# Altium PCB Modulo-1B-TY.PcbDoc
Units mil, origin at the board's own origin, x right, y up, seen from the top; angles counter-clockwise.
Board outline 2400 x 700 mil, 4 copper layers (Component Side, Signal Layer 2, Signal Layer 1, Solder Side), stack 64.618 mil thick; 59 components, 46 nets, 233 pads, 124 vias.
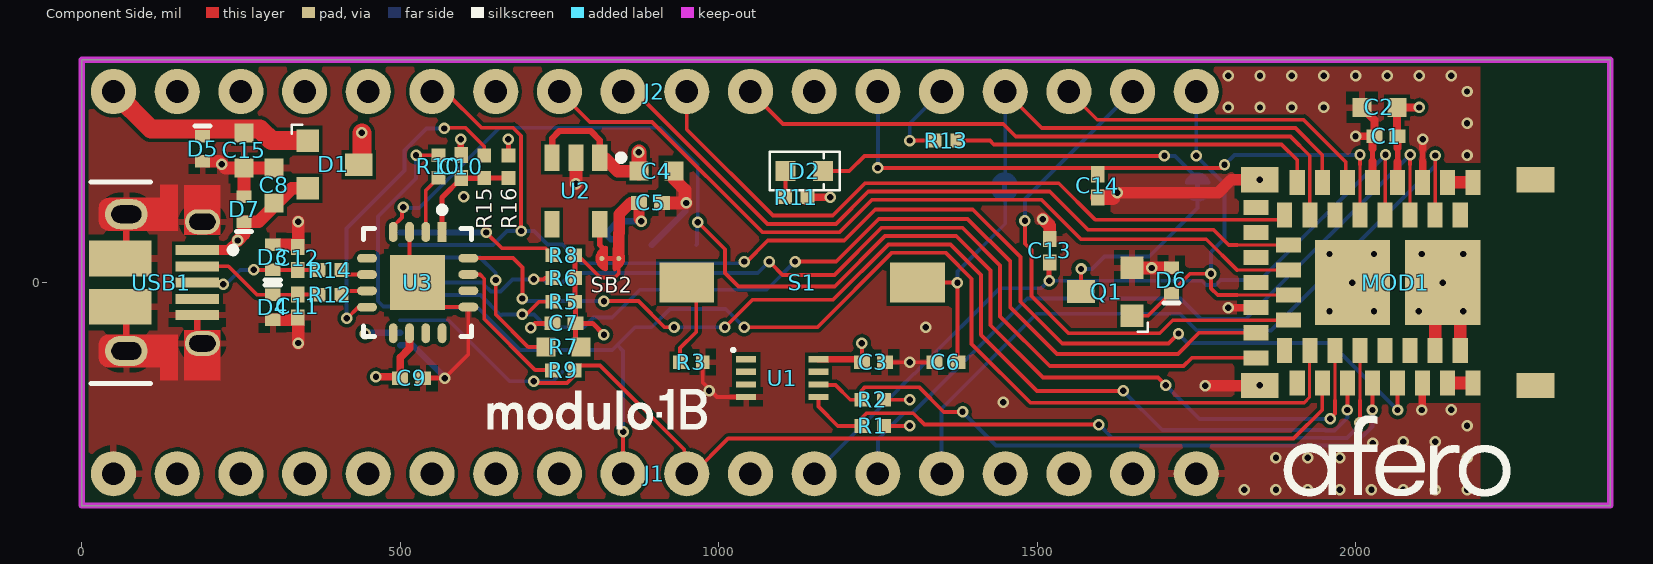
[diagram p0: Component Side view]
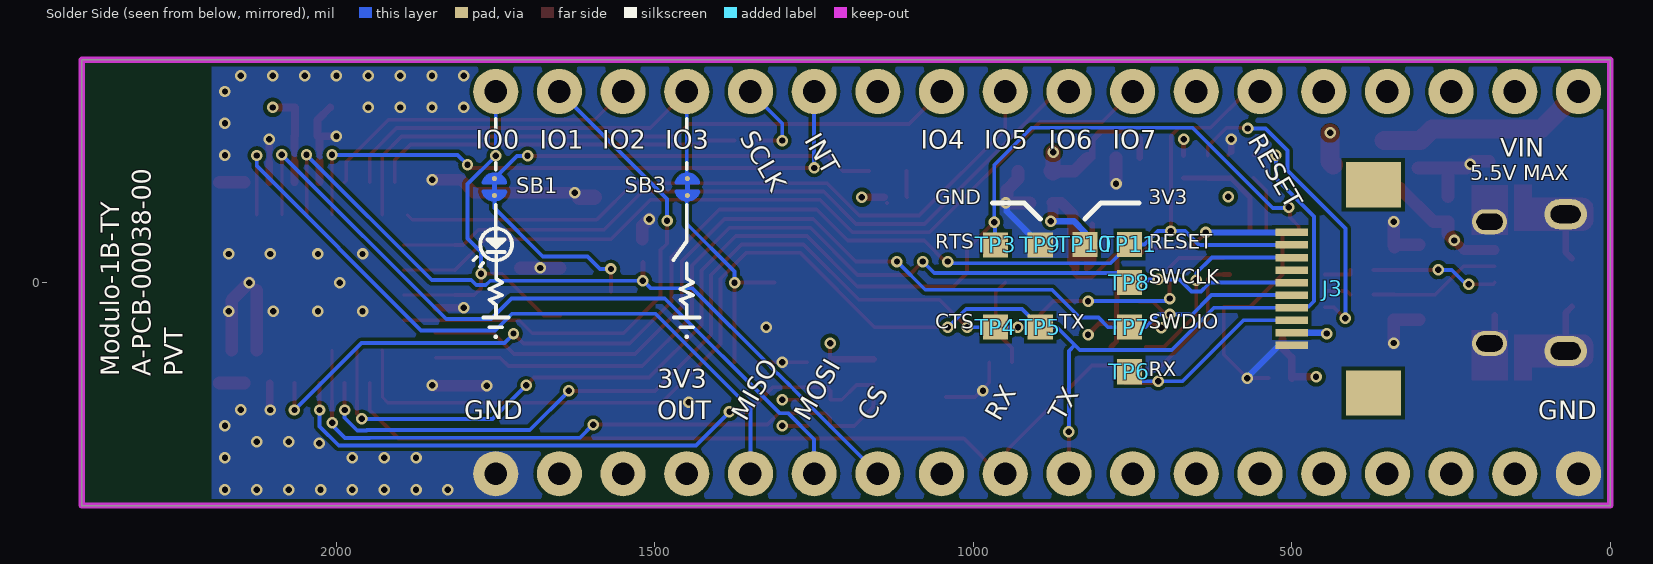
[diagram p1: Solder Side view, seen from below]
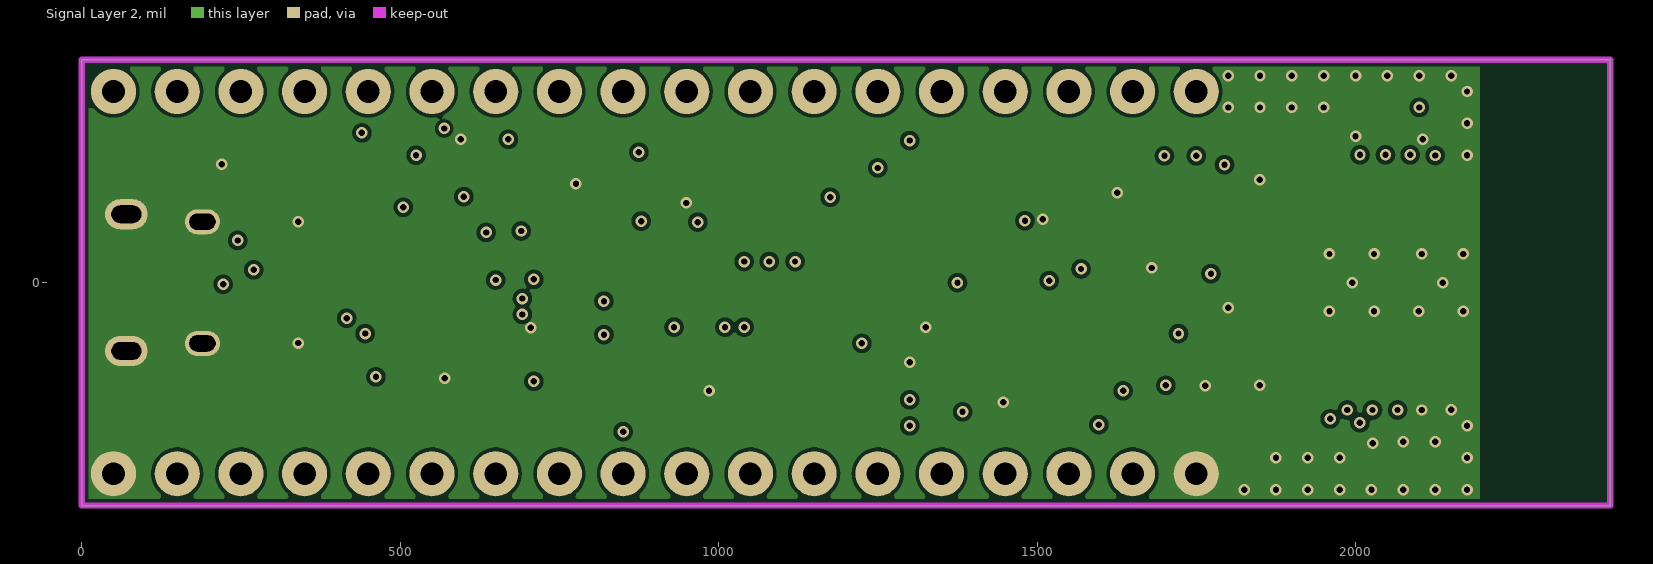
[diagram p2: Signal Layer 2]
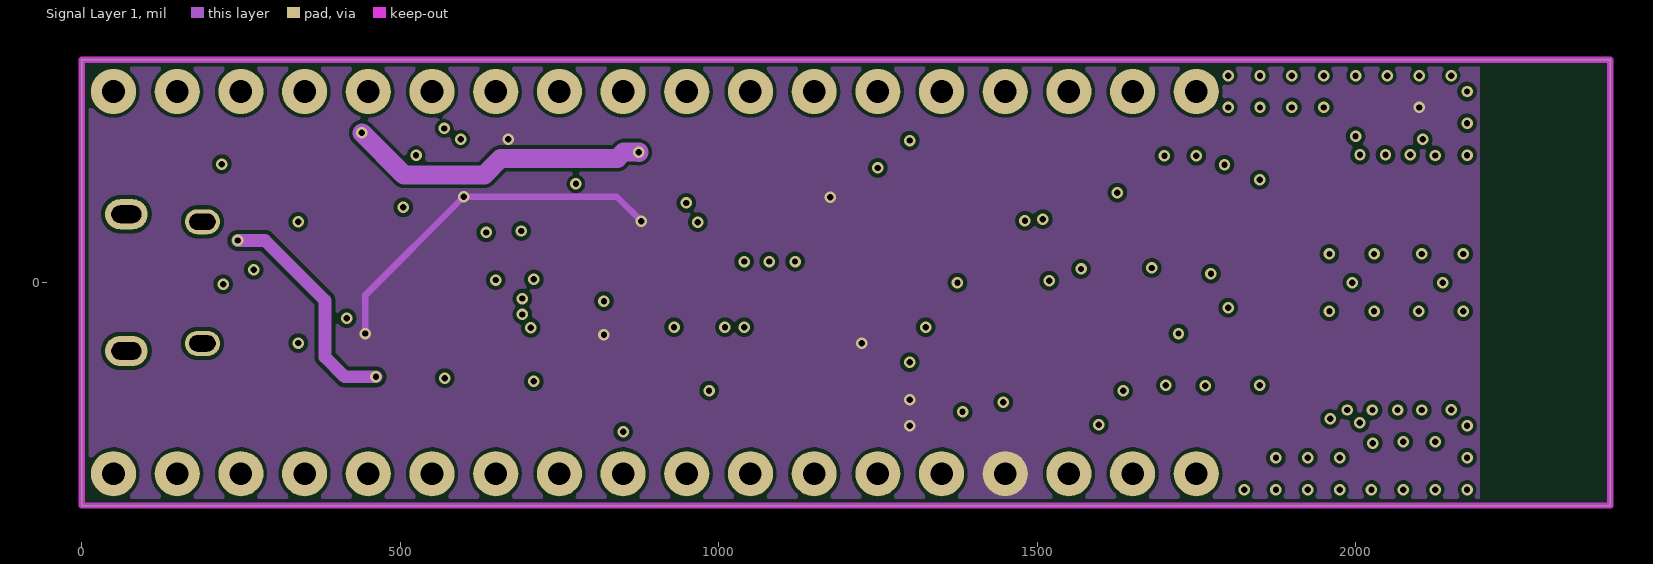
[diagram p3: Signal Layer 1]

## Layer stack, top to bottom
Top Solder: solder mask 0.4, Solder Resist, Dk 3.5
Component Side: signal copper 1.4
Dielectric 1: core 6.7, FR408, Dk 4.2
Signal Layer 2: signal copper 0.709
Dielectric 3: prepreg 47, FR408, Dk 4.2
Signal Layer 1: signal copper 0.709
Dielectric 4: core 6.7, FR408, Dk 4.2
Solder Side: signal copper 1.4
Bottom Solder: solder mask 0.4, Solder Resist, Dk 3.5

## Board outline
0,-350 2400,-350 2400,350 0,350

## Design rules (kind name [scope] priority, off if disabled: settings)
BoardOutlineClearance [All] p1: gap=10 ignorepadtopadclearanceinfootprint=FALSE except(0: Arc-SplitContinuation Track-SplitContinuation SMDPad-SplitContinuation THPad-SplitContinuation Via-SplitContinuation Fill-SplitContinuation Poly-SplitContinuation Region-SplitContinuation Text-SplitContinuation)
Clearance "Module Clearance" [TouchesRoom('5MilClearance') or WithinRoom('5MilClearance') vs TouchesRoom('5MilClearance') or WithinRoom('5MilClearance')] p1: gap=5 ignorepadtopadclearanceinfootprint=FALSE
Clearance [All] p2: gap=6 ignorepadtopadclearanceinfootprint=FALSE
DiffPairsRouting [All] p1 off: maxlimit=10 minlimit=10 mostfreqgap=10 toplayer_minwidth=15 toplayer_maxwidth=15 toplayer_prefwidth=15 midlayer1_minwidth=15 midlayer1_maxwidth=15 midlayer1_prefwidth=15 midlayer2_minwidth=15 midlayer2_maxwidth=15 midlayer2_prefwidth=15 bottomlayer_minwidth=15 bottomlayer_maxwidth=15 bottomlayer_prefwidth=15 maxuncoupledlength=500
HoleSize [All] p1: absolutevalues=TRUE maxlimit=50 minlimit=10 maxpercent=80.000 minpercent=20.000
MinimumAnnularRing [All] p1: minimumring=4
MinimumSolderMaskSliver [All] p1 off: minsoldermaskwidth=10
PlaneClearance [All] p1: clearance=10
PlaneConnect [All] p1: planeconnectstyle=Relief reliefexpansion=10 reliefentries=4 reliefconductorwidth=5 reliefairgap=5
PolygonConnect PolygonConnect_1 [All vs IsNamedPolygon('GND_L01_P006')] p1: thpad.connectstyle=Relief thpad.reliefconductorwidth=10 thpad.reliefentries=4 thpad.polygonreliefangle="90 Angle" thpad.airgapwidth=10 smdpad.connectstyle=Relief smdpad.reliefconductorwidth=10 smdpad.reliefentries=4 smdpad.polygonreliefangle="90 Angle" smdpad.airgapwidth=10 via.connectstyle=Direct via.reliefconductorwidth=10 via.reliefentries=4 via.polygonreliefangle="90 Angle" via.airgapwidth=10
PolygonConnect [All] p2: connectstyle=Direct reliefconductorwidth=10 reliefentries=4 polygonreliefangle="90 Angle" airgapwidth=10
RoomDefinition 5milClearance [InComponentClass('Modulo-1B-TY')] p1 off: confinementstyle=ConfineOut formatcopy=TRUE lockcomponents=FALSE outline 1805,195 2340,195 2340,-200 1805,-200
RoutingVias [All] p1: holewidth=14 width=30 viastyle="Through Hole" minholewidth=10 minwidth=18 maxholewidth=20 maxwidth=40
SilkToSolderMaskClearance [IsPad] p1 off: minsilkscreentomaskgap=10 clearancetoexposedcopper=TRUE
SolderMaskExpansion [All] p1: expansion=4
Width [All] p1: maxlimit=30 minlimit=5 preferedwidth=8
24 further rules are at their usual default settings.

## Classes and differential pairs
differential pair USB: +USB_P -USB_N

## Components (designator, comment, footprint, x,y, rotation, side; value= is the part's Value field where it differs from the comment)
C1 "12pF" 0402C-GENERIC 2047.82,229.57 r180 top
C2 "4.7uF" 0603C-GENERIC 2065,275 r180 top value=4u7
C3 ".1uF" 0402C-GENERIC 1243.11,-125 r0 top
C4 "4.7uF" 0603C-GENERIC 875,175 r0 top value=4u7
C5 "1uF" 0402C-GENERIC 893.11,125 r0 top value=1u
C6 ".1uF" 0402C-GENERIC 1356.89,-125 r180 top
C7 "1uF" 0402C-GENERIC 757,-64 r180 top value=1u
C8 "4.7uF" 0603C-GENERIC 302,125 r90 top value=4u7
C9 ".1uF" 0402C-GENERIC 518.11,-150 r0 top
C10 ".1uF" 0402C-GENERIC 596,182 r90 top
C11 "47pF" 0402C-GENERIC 339,-37 r270 top
C12 "47pF" 0402C-GENERIC 339,37.89 r90 top
C13 "12pF" 0402C-GENERIC 1520,50 r90 top
C14 "12pF" 0402C-GENERIC 1595,152 r270 top
C15 "4.7uF" 0603C-GENERIC 255,235 r270 top value=4u7
D1 "BAT54CL" SOT23 355,223 r0 top
D2 "Orange" 0603LED 1105,175.12 r0 top
D3 "TPD1E05U06" SON70P100X45-2N 300,20 r90 top
D4 "TPD1E05U06" SON70P100X45-2N 300,-19.16 r270 top
D5 "TPD1E05U06" SON70P100X45-2N 190,230 r270 top
D6 "TPD1E05U06" SON70P100X45-2N 1711,-16.37 r90 top
D7 "TPD1E05U06" SON70P100X45-2N 255,95.63 r90 top
J1 "HDR-1x18" HDR-1X18 50,-300 r0 top
J2 "HDR-1x18" HDR-1X18 1750,300 r180 top
J3 "FH12-10S" AFERO-SAD 500,-9.84 r90 bottom locked
MOD1 "EYSHCNZWZ" EYSHCNZWZ 2065.93,0 r180 top locked
Q1 "2N7002" SOT23 1649,-52 r180 top
R1 "4.7k" 0402R-GENERIC 1242,-225 r180 top
R2 "4.7k" 0402R-GENERIC 1242,-184 r180 top
R3 "100" 0402R-GENERIC 957.28,-125 r0 top
R5 "10k" 0402R-GENERIC 757,-30 r180 top
R6 "10k" 0402R-GENERIC 757,7 r180 top
R7 "0" 0603R-generic 784,-101 r180 top
R8 "100k" 0402R-GENERIC 757,43 r180 top
R9 "1k" 0402R-GENERIC 756,-138 r0 top
R10 "1k" 0402R-GENERIC 560,182.28 r90 top
R11 "1k" 0402R-GENERIC 1122,134 r0 top
R12 "27" 0402R-GENERIC 390,-19.16 r0 top
R13 "100" 0402R-GENERIC 1357,223 r0 top
R14 "27" 0402R-GENERIC 390,19.68 r0 top
R15 "0" 0402R-GENERIC 632,182 r90 top
R16 "0" 0402R-GENERIC 670,182 r90 top
S1 "FSMSM" FSMSM 1312.2,0 r180 top locked
SB1 "Solderbridge" SBNC 1752,150 r90 bottom net-tie
SB2 "Solderbridge" SBNC 830,37.89 r0 top net-tie
SB3 "Solderbridge" SBNC 1449,150 r270 bottom net-tie
TP3 "TP1MM" TP1MM 965,59.06 r90 bottom
TP4 "TP1MM" TP1MM 965,-70 r90 bottom locked
TP5 "TP1MM" TP1MM 895,-70 r90 bottom locked
TP6 "TP1MM" TP1MM 755,-140 r90 bottom locked
TP7 "TP1MM" TP1MM 755,-70 r90 bottom locked
TP8 "TP1MM" TP1MM 755,0 r90 bottom locked
TP9 "TP1MM" TP1MM 895,59.06 r90 bottom
TP10 "TP1MM" TP1MM 825,60 r90 bottom
TP11 "TP1MM" TP1MM 755,60 r90 bottom locked
U1 "ATECC508A" SON50P300X60-8N 1100,-150 r0 top
U2 "S-1313A33-M5T1U3" SOT95P275X130-5N 776,144 r270 top
U3 "FT230XQ" VQFN65P400X400X90-16N 527.5,0 r270 top
USB1 "10103594-0001LF" 10103594-0001LF 125,0 r180 top locked

## Footprints (in the part's own frame and the unit in brackets; to place one, negate y for a bottom-side part, rotate by r counter-clockwise, add the part's x,y. Pads: shape width x height; smd on the part's side, far side on the other; paste and mask are expansions set on the pad)
0402C-GENERIC [mm] "Chip Capacitor, 2-Leads, Body 1.00x0.50mm, IPC High Density"
  rect 0.64x0.54 smd: 1(-0.46,0) 2(0.46,0)
  body extent -0.45,-0.3 0.45,0.3, height 0.55
0402R-GENERIC [mm] "Chip Resistor, 2-Leads, Body 1.00x0.50mm, IPC Medium Density"
  rect 0.55x0.55 smd: 1(-0.45,0) 2(0.45,0)
  body extent -0.53,-0.27 0.53,0.28, height 0.4
0603C-GENERIC [mil] "CAPACITOR 0603"
  rect 30x30 smd: 1(0,0) 2(55,0)
  body extent -4,-15 59,15, height 19
0603LED [mm] "0603 LED"
  rect 0.8x0.8 smd: A(0,0) K(1.5,0)
  silkscreen extent -0.64,-0.76 2.16,0.76, body extent -0.04,-0.4 1.56,0.4, height 0.6
0603R-generic [mil] "RESISTOR 0603"
  rect 30x30 smd: 1(0,0) 2(55,0)
  body extent -4,-15 59,15, height 19
10103594-0001LF [mm] "USB Micro B"
  rect 1.75x0.4 smd: 1(-1.435,-1.3) 2(-1.435,-0.65) 3(-1.435,0) 4(-1.435,0.65) 5(-1.435,1.3)
  oval 1.4x1 hole 0.65 slot 1.05 at 0 deg: 6(-1.64,-2.425) 7(-1.64,2.425)
  oval 1.7x1.2 hole 0.7 slot 1.2 at 0 deg: 8(1.39,2.725) 9(1.39,-2.725)
  rect 2.5x1.425 smd: 10(1.64,-0.962) 11(1.64,0.962)
  Component Side region: -2.37,3.9 -2.37,1.9 -0.91,1.9 -0.91,3.9
  Component Side region: -0.91,-3.9 -0.91,-1.9 -2.37,-1.9 -2.37,-3.9
  Component Side region: 0.04,3.375 2.09,3.375 2.129,3.373 2.167,3.369 2.185,3.365 2.203,3.359 2.239,3.348 2.277,3.329 2.312,3.308 2.344,3.284 2.374,3.258 2.401,3.227 2.426,3.194 2.446,3.158 2.464,3.121 2.477,3.08 2.483,3.049 2.488,3.012 2.49,2.975 2.49,2.475 2.488,2.432 2.481,2.391 2.471,2.351 2.456,2.312 2.439,2.28 2.421,2.249 2.396,2.217 2.37,2.19 2.342,2.164 2.312,2.143 2.277,2.121 2.241,2.105 2.209,2.093 2.192,2.088 2.175,2.084 2.155,2.08 2.134,2.076 2.112,2.075 2.09,2.075 0.04,2.075 -0.66,2.075 -0.66,3.9 0.04,3.9
  Component Side region: 0.04,-3.375 2.09,-3.375 2.129,-3.373 2.167,-3.369 2.185,-3.365 2.203,-3.359 2.239,-3.348 2.277,-3.329 2.312,-3.308 2.344,-3.284 2.374,-3.258 2.401,-3.227 2.426,-3.194 2.446,-3.158 2.464,-3.121 2.477,-3.08 2.483,-3.049 2.488,-3.012 2.49,-2.975 2.49,-2.475 2.488,-2.432 2.482,-2.391 2.471,-2.351 2.456,-2.312 2.439,-2.28 2.421,-2.249 2.397,-2.217 2.37,-2.19 2.342,-2.164 2.312,-2.143 2.277,-2.121 2.241,-2.105 2.209,-2.093 2.192,-2.088 2.175,-2.084 2.155,-2.08 2.134,-2.076 2.112,-2.075 2.09,-2.075 0.04,-2.075 -0.66,-2.075 -0.66,-3.9 0.04,-3.9
  silkscreen extent -2.99,-4.02 2.8,4.02, body extent -1.88,-4.02 4.15,4.02, height 2.9
AFERO-SAD [mm] "Afero Debug"
  rect 0.3x1.3 smd: 1(-2.25,0) 2(-1.75,0) 3(-1.25,0) 4(-0.75,0) 5(-0.25,0) 6(0.25,0) 7(0.75,0) 8(1.25,0) 9(1.75,0) 10(2.25,0)
  rect 1.8x2.2 smd: 11(-4.15,-3.25) 12(4.15,-3.25)
  body extent -4.55,-6.15 4.55,0.25, height 2.06
EYSHCNZWZ [mm] "Bluetooth 5.0 Low Energy Module"
  rect 0.6x1 smd paste-0.05: 1(-3,-4) 2(-2,-4) 3(-1,-4) 4(0,-4) 5(1,-4) 6(2,-4) 7(3,-4) 8(4,-4) 16(4,4) 17(3,4) 18(2,4) 19(1,4) 20(0,4) 21(-1,4) 22(-2,4) 23(-3,4) 24(-2.5,-2.7) 25(-1.5,-2.7) 26(-0.5,-2.7) 27(0.5,-2.7) 28(1.5,-2.7) 29(2.5,-2.7) 30(3.5,-2.7) 31(4.5,-2.7) 36(4.5,2.7) 37(3.5,2.7) 38(2.5,2.7) 39(1.5,2.7) 40(0.5,2.7) 41(-0.5,2.7) 42(-1.5,2.7) 43(-2.5,2.7)
  rect 1x0.6 smd paste-0.05: 9(5.65,-3) 10(5.65,-2) 11(5.65,-1) 12(5.65,0) 13(5.65,1) 14(5.65,2) 15(5.65,3) 32(4.35,-1.5) 33(4.35,-0.5) 34(4.35,0.5) 35(4.35,1.5)
  rect 3x3.4 smd paste-0.2: 44(-1.8,0) 45(1.8,0)
  rect 1.5x1 smd paste-0.17: 46(-5.5,-4.1) 47(5.5,-4.1) 48(5.5,4.1) 49(-5.5,4.1)
  body extent -6.35,-4.7 6.35,4.7, height 2
FSMSM [mm] "SPST Tactile Switch"
  rect 2.18x1.6 smd: 1(0,0) 2(9.2,0)
  body extent -0.28,-1.75 9.68,1.75, height 4.43
HDR-1X18 [mm] "Machine Pin Vertical Male Header 18 pins"
  round 1.8 hole 0.9: 1(0,0) 2(2.54,0) 3(5.08,0) 4(7.62,0) 5(10.16,0) 6(12.7,0) 7(15.24,0) 8(17.78,0) 9(20.32,0) 10(22.86,0) 11(25.4,0) 12(27.94,0) 13(30.48,0) 14(33.02,0) 15(35.56,0) 16(38.1,0) 17(40.64,0) 18(43.18,0)
SBNC [mm]
  round 0.2 smd paste-10: 1(-0.338,0) 2(0.338,0)
  Component Side region: -0.102,-0.432 -0.178,-0.505 -0.296,-0.467 -0.361,-0.424 -0.434,-0.351 -0.488,-0.292 -0.546,-0.193 -0.574,-0.099 -0.569,0.122 -0.544,0.193 -0.46,0.33 -0.376,0.411 -0.284,0.469 -0.183,0.5 -0.132,0.483 -0.102,0.43
  Component Side region: 0.102,0.432 0.178,0.505 0.296,0.467 0.361,0.424 0.434,0.351 0.488,0.292 0.546,0.193 0.574,0.099 0.569,-0.122 0.544,-0.193 0.46,-0.33 0.376,-0.411 0.284,-0.469 0.183,-0.5 0.132,-0.483 0.102,-0.43
  Component Side lines w0.152: -0.178,-0.431 cw(c-0.068,0) -0.178,0.431 ; 0.178,-0.431 ccw(c0.068,0) 0.178,0.431
  Component Side lines w0.203: -0.338,0 0.338,0
SON50P300X60-8N [mm] "SON, 8-Leads, Body 2.00x3.00mm, Pitch 0.50mm, IPC Medium Density"
  rect 0.8x0.25 smd: 1(-1.44,0.75) 2(-1.44,0.25) 3(-1.44,-0.25) 4(-1.44,-0.75) 5(1.44,-0.75) 6(1.44,-0.25) 7(1.44,0.25) 8(1.44,0.75)
  silkscreen extent -2.01,1.07 -1.91,1.17, body extent -1.5,-1 1.5,1, height 0.6
SON70P100X45-2N [mm] "SON, 2-Leads, Body 0.60x1.00mm, Pitch 0.70mm, IPC Medium Density"
  rect 0.5x0.6 smd: 1(0,0) 2(1,0)
  silkscreen extent -0.4,-0.3 -0.4,0.3, body extent -0.05,-0.35 1.05,0.35, height 0.45
SOT23 [mm] "SOT32"
  rect 0.9x0.9 smd: 1(0,0) 2(0,-1.905)
  rect 1.1x0.9 smd: 3(2.032,-0.965)
  silkscreen extent -0.63,0.28 -0.23,0.64, body extent -0.09,-2.41 2.39,0.51, height 1.03
SOT95P275X130-5N [mm] "SOT23, 5-Leads, Body 2.90x2.75mm, Pitch 0.95mm, IPC Medium Density"
  rect 1.05x0.6 smd: 1(-1.325,0.95) 2(-1.325,0) 3(-1.325,-0.95) 4(1.325,-0.95) 5(1.325,0.95)
  silkscreen extent -1.45,1.68 -1.2,1.93, body extent -1.5,-1.55 1.5,1.55, height 1.3
TP1MM [mm] "1mm test point"
  rect 1x1 smd paste-1: 1(0,0)
VQFN65P400X400X90-16N [mm] "VQFN, 16-Leads, Body 4.0x4.0mm (max), Pitch 0.65mm, IPC Medium Density"
  rect 0.8x0.35 smd: 1(-2.02,0.975)
  oval 0.8x0.35 smd: 2(-2.02,0.325) 3(-2.02,-0.325) 4(-2.02,-0.975) 9(2.02,-0.975) 10(2.02,-0.325) 11(2.02,0.325) 12(2.02,0.975)
  oval 0.35x0.8 smd: 5(-0.97,-2.02) 6(-0.32,-2.02) 7(0.33,-2.02) 8(0.98,-2.02) 13(0.975,2.02) 14(0.325,2.02) 15(-0.325,2.02) 16(-0.975,2.02)
  rect 2.2x2.2 smd: 17(0,0)
  silkscreen extent -3.02,-2.15 2.15,2.15, body extent -2,-2 2,2, height 0.9

## Part data
C1 C13 C14: library part 0402C-12p, "Capacitor, C0G", Case/Package=0402, Case Code (Metric)=1005, Dielectric=C0G, Manufacturer=Murata, Manufacturer Part Number=GJM1555C1H120FB01D, Max Operating Temperature=125°C, Min Operating Temperature=-55°C, Package Quantity=10000, Supplier Part Number 1=490-11190-1-ND, Tolerance=1%, Voltage Rating=50V, Capacitance=12pF, Case Code (Imperial)=0402, Depth=0.5mm, Height=0.5mm, item_number=E-CAP-00106-00, Lead Free="Lead Free", Length=1mm, Mount="Surface Mount", Packaging="Tape and Reel", Radiation Hardening=No, REACH SVHC="No SVHC", Supplier 1=Digi-Key, Termination=SMD/SMT, Thickness=0.022inch, Voltage Rating (DC)=50V, Width=0.02inch
C2 C4 C8 C15: library part 0603C-4u7, "Capacitor", Case/Package=0603, Case Code (Metric)=1608, Dielectric=X5R, Manufacturer=Murata, Manufacturer Part Number=GRM188R61C475KAAJD, Max Operating Temperature=85°C, Min Operating Temperature=-55°C, Package Quantity=4000, Supplier Part Number 1=81-GRM188R61C475KAJD, Tolerance=10%, Voltage Rating=16V, Capacitance=4.7uF, Case Code (Imperial)=0603, ComponentLink1Description=https://datasheet.ciiva.com/14813/595grm188r61c475kaaj23-14813668.pdf, ComponentLink1URL=https://datasheet.ciiva.com/14813/595grm188r61c475kaaj23-14813668.pdf, Depth=0.8mm, Height=0.8mm, item_number=E-CAP-00066-00, Lead Free="Lead Free", Length=1.6mm, Material=Ceramic, Mount="Surface Mount", Packaging="Tape and Reel", Pricing 1="1=0.27, 10=0.184, 50=0.184, 100=0.105, 1000=0.065, 10000=0.054 (USD)", REACH SVHC="No SVHC", Stock 1=241267, Supplier 1=Mouser, Termination=SMD/SMT, Thickness=0.037inch, Voltage Rating (DC)=16V, Weight=0.000222oz, Width=0.8mm
C3 C6 C9 C10: library part 0402C-100n, "Capacitor, MLCC", Case/Package=0402, Case Code (Metric)=1005, Dielectric=X5R, Manufacturer=Murata, Manufacturer Part Number=GRM155R61H104KE19D, Max Operating Temperature=85°C, Min Operating Temperature=-55°C, Supplier Part Number 1=81-GRM155R61H104KE9D, Tolerance=10%, Voltage=50V, Capacitance=.1uF, Case Code (Imperial)=0402, ComponentLink1Description=https://datasheet.ciiva.com/22698/1666664-22698413.pdf, ComponentLink1URL=https://datasheet.ciiva.com/22698/1666664-22698413.pdf, ComponentLink2Description=https://datasheet.ciiva.com/7719/1666664-7719007.pdf, ComponentLink2URL=https://datasheet.ciiva.com/7719/1666664-7719007.pdf, Depth=0.5mm, Height=0.5mm, item_number=E-CAP-00004-00, Lead Free="Lead Free", Length=1mm, Mount="Surface Mount", Packaging="Tape and Reel", Pricing 1="1=0.1, 10=0.068, 50=0.068, 100=0.03, 1000=0.017, 10000=0.011 (USD)", REACH SVHC="No SVHC", Stock 1=727844, Supplier 1=Mouser, Thickness=0.022inch, Voltage Rating=50V, Voltage Rating (DC)=50V, Width=0.02inch
C5 C7: library part 0402C-1u, "Capacitor, MLCC", Capacitance - nF="1000 nF", Case Code - in=0402, Case Code - mm=1005, Dielectric=X5R, Manufacturer="Murata Electronics", Manufacturer Part Number=GRM155R60J105ME19J, Maximum Operating Temperature="+ 85 C", Minimum Operating Temperature="- 55 C", Package / Case="0402 (1005 metric)", Supplier Part Number 1=81-GRM155R60J105ME9J, Tolerance="20 %", Voltage Rating DC="6.3 VDC", Brand="Murata Electronics", Capacitance=1uF, Category="Multilayer Ceramic Capacitors MLCC - SMD/SMT", ComponentLink1Description=http://www.mouser.com/ds/2/281/c02e-2905.pdf, ComponentLink1URL=http://www.mouser.com/ds/2/281/c02e-2905.pdf, Height="0.5 mm", item_number=E-CAP-00020-00, Length="1 mm", Minimum Order Quantity=1, Packaging="Cut Tape", Pricing 1="1=0.100, 10=0.080, 100=0.040, 500=0.030, 1000=0.020, 50000=0.020 (USD)", Product="General Type MLCCs", Reeling=True, RoHS="RoHS Compliant", RoHS - Mouser=Y, Series=GRM, Standard Pack Qty=50000, Stock 1=17644, Supplier 1=Mouser, Termination Style=SMD/SMT, Type="Chip Monolithic Ceramic Capacitor", Width="0.5 mm"
C11 C12: library part 0402C-47p, "Capacitor, C0G", Case/Package=0402, Case Code (Metric)=1005, Dielectric=C0G, Dielectric Material=Ceramic, Insulation Resistance=10GR, Manufacturer=Murata, Manufacturer Part Number=GRM1555C1H470JZ01D, Max Operating Temperature=125°C, Min Operating Temperature=-55°C, Package Quantity=1, Supplier Part Number 1=490-1287-2-ND, Temperature Coefficient=30ppm/°C, Tolerance=5%, Voltage=50V, Capacitance=47pF, Case Code (Imperial)=0402, ComponentLink1Description=https://datasheet.ciiva.com/129/product-129747.pdf, ComponentLink1URL=https://datasheet.ciiva.com/129/product-129747.pdf, ComponentLink2Description=https://datasheet.ciiva.com/11787/0900766b807a1cab-11787251.pdf, ComponentLink2URL=https://datasheet.ciiva.com/11787/0900766b807a1cab-11787251.pdf, ComponentLink3Description=https://datasheet.ciiva.com/129/partnumbering-e-01-129748.pdf, ComponentLink3URL=https://datasheet.ciiva.com/129/partnumbering-e-01-129748.pdf, ComponentLink4Description=https://datasheet.ciiva.com/129/partnumbering-e-01-129749.pdf, ComponentLink4URL=https://datasheet.ciiva.com/129/partnumbering-e-01-129749.pdf, ComponentLink5Description=https://datasheet.ciiva.com/16396/l0005e-16396809.pdf, ComponentLink5URL=https://datasheet.ciiva.com/16396/l0005e-16396809.pdf, ComponentLink6Description=https://datasheet.ciiva.com/18100/getdatasheetpartid-32342-18100875.pdf, ComponentLink6URL=https://datasheet.ciiva.com/18100/getdatasheetpartid-32342-18100875.pdf, Depth=0.5mm, Height=0.5mm, item_number=E-CAP-00019-00, Lead Free="Lead Free", Length=1mm, Mount="Surface Mount", Number of Pins=2, Packaging="Tape and Reel", Radiation Hardening=No, REACH SVHC="No SVHC", Stock 1=0, Supplier 1=Digi-Key, Termination=SMD/SMT, Thickness=0.022inch, Voltage Rating=50V, Voltage Rating (DC)=50V, Width=0.5mm
D1: "Dual Common Cathode  Schottky  Diodes", Average Rectified Current=200mA, Capacitance=10pF, Case/Package=SOT-23-3, Forward Voltage=800mV, Manufacturer="ON Semiconductor", Manufacturer Part Number=BAT54CLT1G, Max Forward Surge Current (Ifsm)=600mA, Max Operating Temperature=125°C, Max Power Dissipation=225mW, Max Repetitive Reverse Voltage (Vrrm)=30V, Max Reverse Leakage Current=2uA, Min Operating Temperature=-55°C, Package Quantity=3000, Supplier Part Number 1=BAT54CLT1GOSCT-ND, ComponentLink1Description=https://datasheet.ciiva.com/1240/bat54clt1-d-1240707.pdf, ComponentLink1URL=https://datasheet.ciiva.com/1240/bat54clt1-d-1240707.pdf, ComponentLink2Description=https://datasheet.ciiva.com/22659/1918740-22659014.pdf, ComponentLink2URL=https://datasheet.ciiva.com/22659/1918740-22659014.pdf, ComponentLink3Description=https://datasheet.ciiva.com/34301/885769-34301654.pdf, ComponentLink3URL=https://datasheet.ciiva.com/34301/885769-34301654.pdf, ComponentLink4Description=https://datasheet.ciiva.com/1180/bat54clt1-d-1180247.pdf, ComponentLink4URL=https://datasheet.ciiva.com/1180/bat54clt1-d-1180247.pdf, ComponentLink5Description=https://datasheet.ciiva.com/1180/bat54clt1-d-1180248.pdf, ComponentLink5URL=https://datasheet.ciiva.com/1180/bat54clt1-d-1180248.pdf, ComponentLink6Description=https://datasheet.ciiva.com/30479/0900766b8121b932-30479128.pdf, ComponentLink6URL=https://datasheet.ciiva.com/30479/0900766b8121b932-30479128.pdf, ComponentLink7Description=https://datasheet.ciiva.com/15144/getdatasheetpartid-98336-15144809.pdf, ComponentLink7URL=https://datasheet.ciiva.com/15144/getdatasheetpartid-98336-15144809.pdf, ComponentLink8Description=https://datasheet.ciiva.com/16205/bat54clt1-d-16205033.pdf, ComponentLink8URL=https://datasheet.ciiva.com/16205/bat54clt1-d-16205033.pdf, ComponentLink9Description=https://datasheet.ciiva.com/905/bat54clt1-d-905835.pdf, ComponentLink9URL=https://datasheet.ciiva.com/905/bat54clt1-d-905835.pdf, ComponentLink10Description=https://datasheet.ciiva.com/28655/bat54clt1-d-28655787.pdf, ComponentLink10URL=https://datasheet.ciiva.com/28655/bat54clt1-d-28655787.pdf, ComponentLink11Description=https://datasheet.ciiva.com/8299/bat54clt1-d-8299644.pdf, ComponentLink11URL=https://datasheet.ciiva.com/8299/bat54clt1-d-8299644.pdf, ComponentLink12Description=https://datasheet.ciiva.com/8294/bat54clt1-d-8294495.pdf, ComponentLink12URL=https://datasheet.ciiva.com/8294/bat54clt1-d-8294495.pdf, Contact Plating=Tin,Matte, Current Rating=200mA, Element Configuration="Common Cathode", Forward Current=200mA, Halogen Free="Halogen Free", Height=1.01mm, item_number=E-DIO-00010-00, Lead Free="Lead Free", Length=3.04mm, Max Reverse Voltage (DC)=30V, Max Surge Current=600mA, Number of Pins=3, Packaging="Tape and Reel", Peak Non-Repetitive Surge Current=600mA, Peak Reverse Current=2uA, Power Dissipation=225mW, Pricing 1="1=0.15, 10=0.133, 100=0.0727, 500=0.0447, 1000=0.0305 (USD)", Radiation Hardening=No, REACH SVHC="No SVHC", Recovery Time=5ns, Reverse Recovery Time=5ns, Stock 1=151531, Supplier 1=Digi-Key, Voltage Rating (DC)=30V, Width=1.4mm
D2: library part LED_0603, "LED_0603", Case/Package=0603, Case Code (Metric)=1608, Colour=Red,Orange, Forward Current=30mA, Forward Voltage=2V, Lens Colour=Colorless, Manufacturer="Vishay Lite-On", Manufacturer Part Number=LTST-C190KAKT, Max Operating Temperature=85°C, Min Operating Temperature=-55°C, Package Quantity=1, Power Dissipation=75mW, Reverse Voltage=5V, Supplier Part Number 1=160-1433-1-ND, Test Current=20mA, Case Code (Imperial)=0603, ComponentLink1Description=https://datasheet.ciiva.com/24120/ltst-c190kakt-267511-24120611.pdf, ComponentLink1URL=https://datasheet.ciiva.com/24120/ltst-c190kakt-267511-24120611.pdf, ComponentLink2Description=https://datasheet.ciiva.com/26937/getdatasheetpartid-257177-26937956.pdf, ComponentLink2URL=https://datasheet.ciiva.com/26937/getdatasheetpartid-257177-26937956.pdf, ComponentLink3Description=https://datasheet.ciiva.com/2110/ltst-c150-170-190kxkt-2110261.pdf, ComponentLink3URL=https://datasheet.ciiva.com/2110/ltst-c150-170-190kxkt-2110261.pdf, ComponentLink4Description=https://datasheet.ciiva.com/2110/ltst-c150-170-190kxkt-2110262.pdf, ComponentLink4URL=https://datasheet.ciiva.com/2110/ltst-c150-170-190kxkt-2110262.pdf, ComponentLink5Description=https://datasheet.ciiva.com/2110/ltst-c150-170-190kxkt-2110263.pdf, ComponentLink5URL=https://datasheet.ciiva.com/2110/ltst-c150-170-190kxkt-2110263.pdf, Depth=1.6mm, Dominant Wavelength=615nm, Height=0.8mm, Illumination Colour=Orange, item_number=E-LED-00009-00, Lead Free="Lead Free", Length=1.6mm, Lens Style=Flat,Diffused,Colorless,Rectangular, Lens Transparency=Clear, Luminous Intensity=54mcd, Mount="Surface Mount", Number of Elements=1, Number of LEDs=1, Number of Pins=2, Orientation="Top View", Packaging="Tape and Reel", Pricing 1="1=0.41, 10=0.296, 25=0.2268, 100=0.148, 250=0.1085, 500=0.0921, 1000=0.0757 (USD)", Radiation Hardening=No, Stock 1=60967, Supplier 1=Digi-Key, Viewing Angle=130°, Wavelength=621nm, Width=0.8mm
D3 D4 D5 D6 D7: "TVS Diode", Breakdown Voltage=6.5V, Capacitance=0.5pF, Clamping Voltage=14V, Leakage Current=10nA, Manufacturer="Texas Instruments", Manufacturer Part Number=TPD1E05U06DPYR, Max Operating Temperature=125°C, Max Power Dissipation=40W, Min Breakdown Voltage=6V, Min Operating Temperature=-40°C, Operating Supply Voltage=5.5V, Package Quantity=10000, Peak Pulse Current=2.5A, Power Line Protection=Yes, Supplier Part Number 1=296-39341-1-ND, ComponentLink1Description=https://datasheet.ciiva.com/12545/tpd1e05u06-224685-12545140.pdf, ComponentLink1URL=https://datasheet.ciiva.com/12545/tpd1e05u06-224685-12545140.pdf, ComponentLink2Description=https://datasheet.ciiva.com/26918/getdatasheetpartid-700473-26918022.pdf, ComponentLink2URL=https://datasheet.ciiva.com/26918/getdatasheetpartid-700473-26918022.pdf, ComponentLink3Description=https://datasheet.ciiva.com/6574/tpd1e05u06-6574667.pdf, ComponentLink3URL=https://datasheet.ciiva.com/6574/tpd1e05u06-6574667.pdf, Direction=Unidirectional, Element Configuration=Single, Interface=LVDS,USB,Ethernet,HDMI,PCIe,SATA, item_number=E-DIO-00008-00, Lead Free="Lead Free", Length=1.1mm, Mount="Surface Mount", Number of Bidirectional Channels=1, Number of Channels=1, Number of Pins=2, Packaging="Tape and Reel", Peak Pulse Power=40W, Polarity=Bidirectional, Pricing 1="1=0.5, 10=0.372, 100=0.2107, 500=0.1395, 1000=0.107 (USD)", Radiation Hardening=No, REACH SVHC="No SVHC", Reverse Standoff Voltage=5.5V, Stock 1=161045, Supplier 1=Digi-Key, Termination=SMD/SMT, Working Voltage=5.5V
J3: library part SAD-WIFI, "Afero SAD connector", Colour=Beige,Brown, Contact Resistance=50mR, Current Rating=500mA, Flammability Rating="UL94 V-0", Housing Colour=Beige, Insulation Resistance=500MR, Manufacturer=Hirose, Manufacturer Part Number=FH12-10S-0.5SH(55), Max Current Rating=400mA, Max Operating Temperature=70°C, Max Voltage Rating (AC)=50V, Min Operating Temperature=-40°C, Package Quantity=2000, Supplier Part Number 1=HFJ110CT-ND, Actuator Material=Polyphenylene, ComponentLink1Description=https://datasheet.ciiva.com/15176/getdatasheetpartid-470028-15176901.pdf, ComponentLink1URL=https://datasheet.ciiva.com/15176/getdatasheetpartid-470028-15176901.pdf, ComponentLink2Description=https://datasheet.ciiva.com/7661/58803-7661366.pdf, ComponentLink2URL=https://datasheet.ciiva.com/7661/58803-7661366.pdf, ComponentLink3Description=https://datasheet.ciiva.com/11745/0900766b80d985fc-11745079.pdf, ComponentLink3URL=https://datasheet.ciiva.com/11745/0900766b80d985fc-11745079.pdf, ComponentLink4Description=https://datasheet.ciiva.com/22630/58803-22630330.pdf, ComponentLink4URL=https://datasheet.ciiva.com/22630/58803-22630330.pdf, Contact Location=Bottom, Contact Material=Bronze, Contact Plating=Gold, Depth=5.6mm, Gender=Female, Housing Material=Polyamide, item_number=M-CON-00064-00, Lead Free="Lead Free", Lead Pitch=0.5mm, Length=9.1mm, Material=Polyamide, Mating Cycles=20, Mount="Surface Mount", Number of Contacts=10, Number of Positions=10, Number of Rows=1, Orientation="Right Angle", Packaging="Tape and Reel", Pitch=0.5mm, Pricing 1="1=1.54, 10=1.401, 25=1.3156, 50=1.2584, 100=1.2012, 250=1.0868, 500=1.001, 1000=0.858 (USD)", Radiation Hardening=No, REACH SVHC="No SVHC", Stock 1=35610, Supplier 1=Digi-Key, Termination=Solder, Voltage Rating=50V, Voltage Rating (AC)=50V, Width=9.1mm, Wire/Cable Type=Straight
MOD1: "Bluetooth 5.0 Low Energy Module", Manufacturer="Taiyo Yuden", Supplier Part Number 1=963-EYSHCNZWZ, item_number=E-ICS-00091-00, Manufacturer Part Number=EYSHCNZWZ, Pricing 1="1=9.67, 10=8.75, 50=7.59, 100=7.36, 1000=6.12, 10000=6.12 (USD)", Stock 1=753, Supplier 1=Mouser
Q1: library part Nch_MOSFET_2N7002, "MOSFET N-CH 60V 115mA SOT23", Manufacturer="On Semiconductor", Commodity=FET, Manufacturer Part Number=2N7002
R1 R2: library part 0402R-4k7, "Resistor 4k7", Case/Package=0402, Case Code (Metric)=1005, Manufacturer=Panasonic, Manufacturer Part Number=ERJ-2GEJ472X, Max Operating Temperature=155°C, Max Power Dissipation=100mW, Min Operating Temperature=-55°C, Package Quantity=1, Supplier Part Number 1=P4.7KJCT-ND, Temperature Coefficient=200ppm/°C, Tolerance=5%, Voltage Rating=50V, Case Code (Imperial)=0402, ComponentLink1Description=https://datasheet.ciiva.com/11821/0900766b80f806dd-11821328.pdf, ComponentLink1URL=https://datasheet.ciiva.com/11821/0900766b80f806dd-11821328.pdf, ComponentLink2Description=https://datasheet.ciiva.com/16758/70260739-16758341.pdf, ComponentLink2URL=https://datasheet.ciiva.com/16758/70260739-16758341.pdf, ComponentLink3Description=https://datasheet.ciiva.com/16770/70260739-16770309.pdf, ComponentLink3URL=https://datasheet.ciiva.com/16770/70260739-16770309.pdf, ComponentLink4Description=https://datasheet.ciiva.com/28514/1678796-28514168.pdf, ComponentLink4URL=https://datasheet.ciiva.com/28514/1678796-28514168.pdf, ComponentLink5Description=https://datasheet.ciiva.com/17213/aoa0000ce1-17213178.pdf, ComponentLink5URL=https://datasheet.ciiva.com/17213/aoa0000ce1-17213178.pdf, ComponentLink6Description=https://datasheet.ciiva.com/16523/aoa0000ce1-16523499.pdf, ComponentLink6URL=https://datasheet.ciiva.com/16523/aoa0000ce1-16523499.pdf, ComponentLink7Description=https://datasheet.ciiva.com/46377/1678796-46377565.pdf, ComponentLink7URL=https://datasheet.ciiva.com/46377/1678796-46377565.pdf, Composition="Thick Film", Contact Plating=Tin, Depth=0.5mm, Features="Automotive AEC-Q200", Height=0.35mm, item_number=E-RES-00039-00, Lead Free="Lead Free", Length=1mm, Military Standard=Not, Mount="Surface Mount", Number of Terminations=2, Packaging="Cut Tape", Power Rating=100mW, Pricing 1="1=0.1, 10=0.038, 100=0.0154, 1000=0.0069, 2500=0.006, 5000=0.005 (USD)", Radiation Hardening=No, REACH SVHC="No SVHC", Resistance=4.7k, Stock 1=10404054, Supplier 1=Digi-Key, Termination=SMD/SMT, Voltage Rating (DC)=50V, Width=0.5mm
R3 R13: library part 0402R-100R, "Resistor 100R", Case/Package=0402, Case Code (Metric)=1005, Manufacturer="Vishay Dale", Manufacturer Part Number=CRCW0402100RFKED, Max Operating Temperature=155°C, Max Power Dissipation=63mW, Min Operating Temperature=-55°C, Package Quantity=10, Supplier Part Number 1=541-100LCT-ND, Temperature Coefficient=100ppm/°C, Tolerance=1%, Voltage Rating=50V, Case Code (Imperial)=0402, ComponentLink1Description=https://datasheet.ciiva.com/2463/dcrcwe3-2463094.pdf, ComponentLink1URL=https://datasheet.ciiva.com/2463/dcrcwe3-2463094.pdf, ComponentLink2Description=https://datasheet.ciiva.com/16199/dcrcwe3-16199158.pdf, ComponentLink2URL=https://datasheet.ciiva.com/16199/dcrcwe3-16199158.pdf, ComponentLink3Description=https://datasheet.ciiva.com/2463/dcrcwe3-2463095.pdf, ComponentLink3URL=https://datasheet.ciiva.com/2463/dcrcwe3-2463095.pdf, ComponentLink4Description=https://datasheet.ciiva.com/2463/dcrcwe3-2463096.pdf, ComponentLink4URL=https://datasheet.ciiva.com/2463/dcrcwe3-2463096.pdf, ComponentLink5Description=https://datasheet.ciiva.com/5552/dcrcwe3-109170-5552168.pdf, ComponentLink5URL=https://datasheet.ciiva.com/5552/dcrcwe3-109170-5552168.pdf, ComponentLink6Description=https://datasheet.ciiva.com/8083/dcrcwe3-8083977.pdf, ComponentLink6URL=https://datasheet.ciiva.com/8083/dcrcwe3-8083977.pdf, ComponentLink7Description=https://datasheet.ciiva.com/11809/0900766b80d98824-11809081.pdf, ComponentLink7URL=https://datasheet.ciiva.com/11809/0900766b80d98824-11809081.pdf, ComponentLink8Description=https://datasheet.ciiva.com/16722/70201119-16722524.pdf, ComponentLink8URL=https://datasheet.ciiva.com/16722/70201119-16722524.pdf, ComponentLink9Description=https://datasheet.ciiva.com/22673/1697337-22673117.pdf, ComponentLink9URL=https://datasheet.ciiva.com/22673/1697337-22673117.pdf, ComponentLink10Description=https://datasheet.ciiva.com/22673/1697337-22673118.pdf, ComponentLink10URL=https://datasheet.ciiva.com/22673/1697337-22673118.pdf, ComponentLink11Description=https://datasheet.ciiva.com/3255/dcrcwe3-3255951.pdf, ComponentLink11URL=https://datasheet.ciiva.com/3255/dcrcwe3-3255951.pdf, Composition="Thick Film", Contact Plating=Tin, Depth=0.5mm, Features="Automotive AEC-Q200", Height=0.35mm, item_number=E-RES-00008-00, Lead Free="Lead Free", Length=1mm, Military Standard=Not, Mount="Surface Mount", Number of Terminations=2, Packaging="Tape and Reel", Power Rating=63mW, Pricing 1="1=0.1, 10=0.044, 100=0.0178, 1000=0.008, 2500=0.007, 5000=0.0058 (USD)", Radiation Hardening=No, REACH SVHC=Unknown, Resistance=100, Stock 1=0, Supplier 1=Digi-Key, Termination=SMD/SMT, Voltage Rating (DC)=50V, Weight=2.3E-05oz, Width=0.02inch, Working Voltage=50V
R5 R6: library part 0402R-10k, "Resistor 10k", Case/Package=0402, Case Code (Metric)=1005, Manufacturer="Vishay Dale", Manufacturer Part Number=CRCW040210K0JNED, Max Operating Temperature=155°C, Max Power Dissipation=63mW, Min Operating Temperature=-55°C, Package Quantity=1, Supplier Part Number 1=541-10KJCT-ND, Temperature Coefficient=200ppm/°C, Tolerance=5%, Voltage Rating=50V, Case Code (Imperial)=0402, ComponentLink1Description=https://datasheet.ciiva.com/2461/dcrcwe3-2461974.pdf, ComponentLink1URL=https://datasheet.ciiva.com/2461/dcrcwe3-2461974.pdf, ComponentLink2Description=https://datasheet.ciiva.com/2461/dcrcwe3-2461975.pdf, ComponentLink2URL=https://datasheet.ciiva.com/2461/dcrcwe3-2461975.pdf, ComponentLink3Description=https://datasheet.ciiva.com/2461/dcrcwe3-2461976.pdf, ComponentLink3URL=https://datasheet.ciiva.com/2461/dcrcwe3-2461976.pdf, ComponentLink4Description=https://datasheet.ciiva.com/7743/dcrcwe3-7743416.pdf, ComponentLink4URL=https://datasheet.ciiva.com/7743/dcrcwe3-7743416.pdf, ComponentLink5Description=https://datasheet.ciiva.com/16771/70201119-16771096.pdf, ComponentLink5URL=https://datasheet.ciiva.com/16771/70201119-16771096.pdf, ComponentLink6Description=https://datasheet.ciiva.com/7743/dcrcwe3-7743417.pdf, ComponentLink6URL=https://datasheet.ciiva.com/7743/dcrcwe3-7743417.pdf, ComponentLink7Description=https://datasheet.ciiva.com/16761/70201119-16761947.pdf, ComponentLink7URL=https://datasheet.ciiva.com/16761/70201119-16761947.pdf, ComponentLink8Description=https://datasheet.ciiva.com/3255/dcrcwe3-3255964.pdf, ComponentLink8URL=https://datasheet.ciiva.com/3255/dcrcwe3-3255964.pdf, ComponentLink9Description=https://datasheet.ciiva.com/3255/dcrcwe3-3255965.pdf, ComponentLink9URL=https://datasheet.ciiva.com/3255/dcrcwe3-3255965.pdf, Composition="Thick Film", Contact Plating=Tin, Depth=0.5mm, Features="Automotive AEC-Q200", Height=0.016inch, item_number=E-RES-00001-00, Length=1mm, Military Standard=Not, Mount="Surface Mount", Number of Terminations=2, Packaging="Tape and Reel", Power Rating=63mW, Pricing 1="1=0.1, 10=0.031, 100=0.0125, 1000=0.0056, 2500=0.0049, 5000=0.004 (USD)", Radiation Hardening=No, REACH SVHC=Unknown, Resistance=10k, Stock 1=0, Supplier 1=Digi-Key, Termination=SMD/SMT, Weight=2.3E-05oz, Width=0.5mm
R7: library part 0603R-0R0, "Resistor 0R", Case/Package=0603, Case Code (Metric)=1608, Manufacturer=Panasonic, Manufacturer Part Number=ERJ-3GEY0R00V, Max Operating Temperature=155°C, Max Power Dissipation=100mW, Min Operating Temperature=-55°C, Package Quantity=1, Supplier Part Number 1=P0.0GCT-ND, Temperature Coefficient=600ppm/°C, Tolerance=0%, Voltage Rating=75V, Voltage Rating (DC)=50V, Case Code (Imperial)=0603, ComponentLink1Description=https://datasheet.ciiva.com/48532/aoa0000ce1-48532165.pdf, ComponentLink1URL=https://datasheet.ciiva.com/48532/aoa0000ce1-48532165.pdf, ComponentLink2Description=https://datasheet.ciiva.com/43460/1678796-43460647.pdf, ComponentLink2URL=https://datasheet.ciiva.com/43460/1678796-43460647.pdf, ComponentLink3Description=https://datasheet.ciiva.com/27055/1935748-27055113.pdf, ComponentLink3URL=https://datasheet.ciiva.com/27055/1935748-27055113.pdf, ComponentLink4Description=https://datasheet.ciiva.com/28695/1678796-28695833.pdf, ComponentLink4URL=https://datasheet.ciiva.com/28695/1678796-28695833.pdf, ComponentLink5Description=https://datasheet.ciiva.com/5959/1678796-5959707.pdf, ComponentLink5URL=https://datasheet.ciiva.com/5959/1678796-5959707.pdf, ComponentLink6Description=https://datasheet.ciiva.com/16834/aoa0000ce1-16834828.pdf, ComponentLink6URL=https://datasheet.ciiva.com/16834/aoa0000ce1-16834828.pdf, ComponentLink7Description=https://datasheet.ciiva.com/17215/aoa0000ce1-17215388.pdf, ComponentLink7URL=https://datasheet.ciiva.com/17215/aoa0000ce1-17215388.pdf, ComponentLink8Description=https://datasheet.ciiva.com/46377/1678796-46377868.pdf, ComponentLink8URL=https://datasheet.ciiva.com/46377/1678796-46377868.pdf, ComponentLink9Description=https://datasheet.ciiva.com/30199/4aoa0000ce1-30199822.pdf, ComponentLink9URL=https://datasheet.ciiva.com/30199/4aoa0000ce1-30199822.pdf, ComponentLink10Description=https://datasheet.ciiva.com/9198/aoa0000ce1-9198975.pdf, ComponentLink10URL=https://datasheet.ciiva.com/9198/aoa0000ce1-9198975.pdf, ComponentLink11Description=https://datasheet.ciiva.com/11808/0900766b80f806dd-11808207.pdf, ComponentLink11URL=https://datasheet.ciiva.com/11808/0900766b80f806dd-11808207.pdf, ComponentLink12Description=https://datasheet.ciiva.com/16758/70255313-16758527.pdf, ComponentLink12URL=https://datasheet.ciiva.com/16758/70255313-16758527.pdf, Composition="Thick Film", Contact Plating=Tin, Depth=0.8mm, Features="Automotive AEC-Q200", Height=0.45mm, item_number=E-RES-00019-00, Lead Free="Lead Free", Length=1.6mm, Military Standard=Not, Mount="Surface Mount", Number of Terminations=2, Packaging="Tape and Reel", Power Rating=100mW, Pricing 1="1=0.1, 10=0.053, 25=0.038, 50=0.029, 100=0.0214, 250=0.0163, 500=0.0131, 1000=0.0096 (USD)", Radiation Hardening=No, REACH SVHC="No SVHC", Resistance=0, Stock 1=17519314, Supplier 1=Digi-Key, Termination=SMD/SMT, Width=0.031inch
R8: library part 0402R-100k, "Resistor 100k", Case/Package=0402, Case Code (Metric)=1005, Manufacturer=Panasonic, Manufacturer Part Number=ERJ-2GEJ104X, Max Operating Temperature=155°C, Max Power Dissipation=100mW, Min Operating Temperature=-55°C, Package Quantity=1, Supplier Part Number 1=P100KJCT-ND, Temperature Coefficient=200ppm/°C, Tolerance=5%, Voltage Rating=50V, Case Code (Imperial)=0402, ComponentLink1Description=https://datasheet.ciiva.com/11821/0900766b80f806dd-11821174.pdf, ComponentLink1URL=https://datasheet.ciiva.com/11821/0900766b80f806dd-11821174.pdf, ComponentLink2Description=https://datasheet.ciiva.com/22758/1500035-22758198.pdf, ComponentLink2URL=https://datasheet.ciiva.com/22758/1500035-22758198.pdf, ComponentLink3Description=https://datasheet.ciiva.com/34303/1986799-34303543.pdf, ComponentLink3URL=https://datasheet.ciiva.com/34303/1986799-34303543.pdf, ComponentLink4Description=https://datasheet.ciiva.com/24023/aoa0000ce1-37422-24023480.pdf, ComponentLink4URL=https://datasheet.ciiva.com/24023/aoa0000ce1-37422-24023480.pdf, ComponentLink5Description=https://datasheet.ciiva.com/16777/70260739-16777321.pdf, ComponentLink5URL=https://datasheet.ciiva.com/16777/70260739-16777321.pdf, ComponentLink6Description=https://datasheet.ciiva.com/16759/70260739-16759692.pdf, ComponentLink6URL=https://datasheet.ciiva.com/16759/70260739-16759692.pdf, ComponentLink7Description=https://datasheet.ciiva.com/48531/aoa0000ce1-48531084.pdf, ComponentLink7URL=https://datasheet.ciiva.com/48531/aoa0000ce1-48531084.pdf, ComponentLink8Description=https://datasheet.ciiva.com/9186/aoa0000ce1-9186685.pdf, ComponentLink8URL=https://datasheet.ciiva.com/9186/aoa0000ce1-9186685.pdf, ComponentLink9Description=https://datasheet.ciiva.com/30204/4aoa0000ce1-30204557.pdf, ComponentLink9URL=https://datasheet.ciiva.com/30204/4aoa0000ce1-30204557.pdf, ComponentLink10Description=https://datasheet.ciiva.com/46389/1500035-46389645.pdf, ComponentLink10URL=https://datasheet.ciiva.com/46389/1500035-46389645.pdf, Composition="Thick Film", Contact Plating=Tin, Depth=0.5mm, Features="Automotive AEC-Q200", Height=0.35mm, item_number=E-RES-00012-00, Lead Free="Lead Free", Length=1mm, Military Standard=Not, Mount="Surface Mount", Number of Terminations=2, Packaging="Tape and Reel", Power Rating=100mW, Pricing 1="1=0.1, 10=0.038, 100=0.0154, 1000=0.0069, 2500=0.006, 5000=0.005 (USD)", Radiation Hardening=No, REACH SVHC="No SVHC", Resistance=100k, Stock 1=10583442, Supplier 1=Digi-Key, Termination=SMD/SMT, Voltage Rating (DC)=50V, Width=0.02inch